# Altium PCB mxiot.PcbDoc (part 1 of 3) (continued)
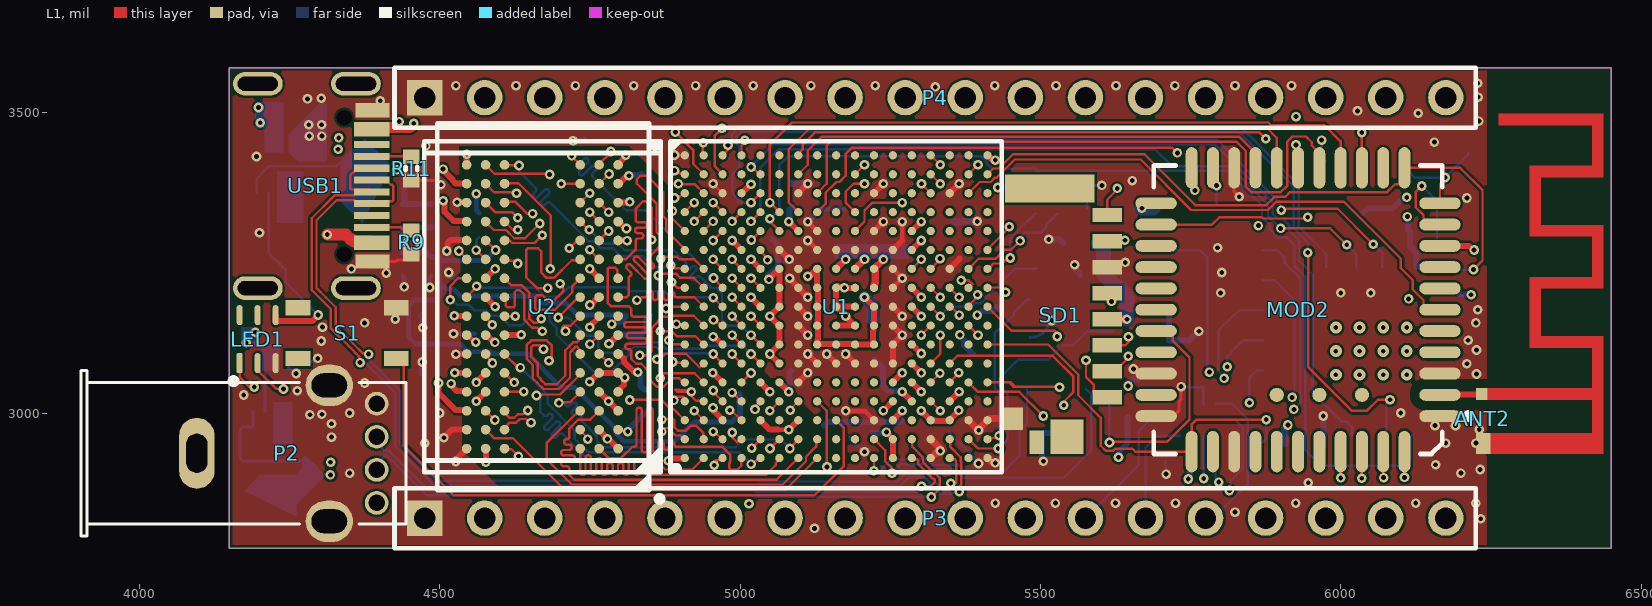
[diagram p0: L1 view]
## Footprints (in the part's own frame and the unit in brackets; to place one, negate y for a bottom-side part, rotate by r counter-clockwise, add the part's x,y. Pads: shape width x height; smd on the part's side, far side on the other; paste and mask are expansions set on the pad) (continued)
  silkscreen extent -5.78,-7.75 5,8.25, body extent -5,-7.75 5,7.75, height 1.2
BGA289C80P17X17_1400X1400X132 [mm] "BGA, 289-Leads, Body 14.00x14.00mmx1.32mm, Pitch 0.80mm"
  round 0.35 smd: A1(-6.4,6.4) A2(-5.6,6.4) A3(-4.8,6.4) A4(-4,6.4) A5(-3.2,6.4) A6(-2.4,6.4) A7(-1.6,6.4) A8(-0.8,6.4) A9(0,6.4) A10(0.8,6.4) A11(1.6,6.4) A12(2.4,6.4) A13(3.2,6.4) A14(4,6.4) A15(4.8,6.4) A16(5.6,6.4) A17(6.4,6.4) B1(-6.4,5.6) B2(-5.6,5.6) B3(-4.8,5.6) B4(-4,5.6) B5(-3.2,5.6) B6(-2.4,5.6) B7(-1.6,5.6) B8(-0.8,5.6) B9(0,5.6) B10(0.8,5.6) B11(1.6,5.6) B12(2.4,5.6) B13(3.2,5.6) B14(4,5.6) B15(4.8,5.6) B16(5.6,5.6) B17(6.4,5.6) C1(-6.4,4.8) C2(-5.6,4.8) C3(-4.8,4.8) C4(-4,4.8) C5(-3.2,4.8) C6(-2.4,4.8) C7(-1.6,4.8) C8(-0.8,4.8) C9(0,4.8) C10(0.8,4.8) C11(1.6,4.8) C12(2.4,4.8) C13(3.2,4.8) C14(4,4.8) C15(4.8,4.8) C16(5.6,4.8) C17(6.4,4.8) D1(-6.4,4) D2(-5.6,4) D3(-4.8,4) D4(-4,4) D5(-3.2,4) D6(-2.4,4) D7(-1.6,4) D8(-0.8,4) D9(0,4) D10(0.8,4) D11(1.6,4) D12(2.4,4) D13(3.2,4) D14(4,4) D15(4.8,4) D16(5.6,4) D17(6.4,4) E1(-6.4,3.2) E2(-5.6,3.2) E3(-4.8,3.2) E4(-4,3.2) E5(-3.2,3.2) E6(-2.4,3.2) E7(-1.6,3.2) E8(-0.8,3.2) E9(0,3.2) E10(0.8,3.2) E11(1.6,3.2) E12(2.4,3.2) E13(3.2,3.2) E14(4,3.2) E15(4.8,3.2) E16(5.6,3.2) E17(6.4,3.2) F1(-6.4,2.4) F2(-5.6,2.4) F3(-4.8,2.4) F4(-4,2.4) F5(-3.2,2.4) F6(-2.4,2.4) F7(-1.6,2.4) F8(-0.8,2.4) F9(0,2.4) F10(0.8,2.4) F11(1.6,2.4) F12(2.4,2.4) F13(3.2,2.4) F14(4,2.4) F15(4.8,2.4) F16(5.6,2.4) F17(6.4,2.4) G1(-6.4,1.6) G2(-5.6,1.6) G3(-4.8,1.6) G4(-4,1.6) G5(-3.2,1.6) G6(-2.4,1.6) G7(-1.6,1.6) G8(-0.8,1.6) G9(0,1.6) G10(0.8,1.6) G11(1.6,1.6) G12(2.4,1.6) G13(3.2,1.6) G14(4,1.6) G15(4.8,1.6) G16(5.6,1.6) G17(6.4,1.6) H1(-6.4,0.8) H2(-5.6,0.8) H3(-4.8,0.8) H4(-4,0.8) H5(-3.2,0.8) H6(-2.4,0.8) H7(-1.6,0.8) H8(-0.8,0.8) H9(0,0.8) H10(0.8,0.8) H11(1.6,0.8) H12(2.4,0.8) H13(3.2,0.8) H14(4,0.8) H15(4.8,0.8) H16(5.6,0.8) H17(6.4,0.8) J1(-6.4,0) J2(-5.6,0) J3(-4.8,0) J4(-4,0) J5(-3.2,0) J6(-2.4,0) J7(-1.6,0) J8(-0.8,0) J9(0,0) J10(0.8,0) J11(1.6,0) J12(2.4,0) J13(3.2,0) J14(4,0) J15(4.8,0) J16(5.6,0) J17(6.4,0) K1(-6.4,-0.8) K2(-5.6,-0.8) K3(-4.8,-0.8) K4(-4,-0.8) K5(-3.2,-0.8) K6(-2.4,-0.8) K7(-1.6,-0.8) K8(-0.8,-0.8) K9(0,-0.8) K10(0.8,-0.8) K11(1.6,-0.8) K12(2.4,-0.8) K13(3.2,-0.8) K14(4,-0.8) K15(4.8,-0.8) K16(5.6,-0.8) K17(6.4,-0.8) L1(-6.4,-1.6) L2(-5.6,-1.6) L3(-4.8,-1.6) L4(-4,-1.6) L5(-3.2,-1.6) L6(-2.4,-1.6) L7(-1.6,-1.6) L8(-0.8,-1.6) L9(0,-1.6) L10(0.8,-1.6) L11(1.6,-1.6) L12(2.4,-1.6) L13(3.2,-1.6) L14(4,-1.6) L15(4.8,-1.6) L16(5.6,-1.6) L17(6.4,-1.6) M1(-6.4,-2.4) M2(-5.6,-2.4) M3(-4.8,-2.4) M4(-4,-2.4) M5(-3.2,-2.4) M6(-2.4,-2.4) M7(-1.6,-2.4) M8(-0.8,-2.4) M9(0,-2.4) M10(0.8,-2.4) M11(1.6,-2.4) M12(2.4,-2.4) M13(3.2,-2.4) M14(4,-2.4) M15(4.8,-2.4) M16(5.6,-2.4) M17(6.4,-2.4) N1(-6.4,-3.2) N2(-5.6,-3.2) N3(-4.8,-3.2) N4(-4,-3.2) N5(-3.2,-3.2) N6(-2.4,-3.2) N7(-1.6,-3.2) N8(-0.8,-3.2) N9(0,-3.2) N10(0.8,-3.2) N11(1.6,-3.2) N12(2.4,-3.2) N13(3.2,-3.2) N14(4,-3.2) N15(4.8,-3.2) N16(5.6,-3.2) N17(6.4,-3.2) P1(-6.4,-4) P2(-5.6,-4) P3(-4.8,-4) P4(-4,-4) P5(-3.2,-4) P6(-2.4,-4) P7(-1.6,-4) P8(-0.8,-4) P9(0,-4) P10(0.8,-4) P11(1.6,-4) P12(2.4,-4) P13(3.2,-4) P14(4,-4) P15(4.8,-4) P16(5.6,-4) P17(6.4,-4) R1(-6.4,-4.8) R2(-5.6,-4.8) R3(-4.8,-4.8) R4(-4,-4.8) R5(-3.2,-4.8) R6(-2.4,-4.8) R7(-1.6,-4.8) R8(-0.8,-4.8) R9(0,-4.8) R10(0.8,-4.8) R11(1.6,-4.8) R12(2.4,-4.8) R13(3.2,-4.8) R14(4,-4.8) R15(4.8,-4.8) R16(5.6,-4.8) R17(6.4,-4.8) T1(-6.4,-5.6) T2(-5.6,-5.6) T3(-4.8,-5.6) T4(-4,-5.6) T5(-3.2,-5.6) T6(-2.4,-5.6) T7(-1.6,-5.6) T8(-0.8,-5.6) T9(0,-5.6) T10(0.8,-5.6) T11(1.6,-5.6) T12(2.4,-5.6) T13(3.2,-5.6) T14(4,-5.6) T15(4.8,-5.6) T16(5.6,-5.6) T17(6.4,-5.6) U1(-6.4,-6.4) U2(-5.6,-6.4) U3(-4.8,-6.4) U4(-4,-6.4) U5(-3.2,-6.4) U6(-2.4,-6.4) U7(-1.6,-6.4) U8(-0.8,-6.4) U9(0,-6.4) U10(0.8,-6.4) U11(1.6,-6.4) U12(2.4,-6.4) U13(3.2,-6.4) U14(4,-6.4) U15(4.8,-6.4) U16(5.6,-6.4) U17(6.4,-6.4)
  silkscreen extent -7.77,-7 7,7, body extent -7,-7 7,7, height 1.32
CAPC1005N [mm] "Chip Capacitor (0402), Body 1.0x0.5mm, IPC Medium Density"
  rect 0.6x0.7 smd: 1(-0.5,0) 2(0.5,0)
  silkscreen extent -0.17,-0.35 0.18,0.35, body extent -0.51,-0.26 0.51,0.26, height 0.61
CAPC1608N [mm] "Chip Capacitor (0603), Body 1.6x0.8mm, IPC Medium Density"
  rect 1x1 smd: 1(-0.8,0) 2(0.8,0)
  silkscreen extent -0.28,-0.5 0.28,0.5, body extent -0.8,-0.41 0.8,0.4, height 0.91
CAPC2012L [mm] "Chip Capacitor, Body 2.0x1.3mm, IPC High Density"
  rect 1.1x1.4 smd: 1(-0.75,0) 2(0.75,0)
  body extent -1,-0.63 1,0.63, height 0.85
DFN50P200X80-8N [mm] "SON, 8-Leads, Body 2.00x2.00mm, Pitch 0.50mm, IPC Medium Density"
  rect 0.8x0.3 smd: 1(-1.045,0.75) 2(-1.045,0.25) 3(-1.045,-0.25) 4(-1.045,-0.75) 5(1.045,-0.75) 6(1.045,-0.25) 7(1.045,0.25) 8(1.045,0.75)
  silkscreen extent -1.71,1.06 -1.61,1.16, body extent -0.95,-0.95 0.95,0.95, height 0.8
HDR1X18 [mm] "Connector; Header; 18 Position"
  rect 1.5x1.5 hole 0.9: 1(0,0)
  round 1.5 hole 0.9: 2(2.54,0) 3(5.08,0) 4(7.62,0) 5(10.16,0) 6(12.7,0) 7(15.24,0) 8(17.78,0) 9(20.32,0) 10(22.86,0) 11(25.4,0) 12(27.94,0) 13(30.48,0) 14(33.02,0) 15(35.56,0) 16(38.1,0) 17(40.64,0) 18(43.18,0)
  silkscreen extent -1.27,-1.27 44.45,1.27
INDC2520X12N [mm] "Chip Inductor, 2-Leads, Body 2.50x2.00mm, IPC Medium Density"
  rect 1.1x2.2 smd: 1(-1.255,0) 2(1.255,0)
  silkscreen extent -0.35,-1 0.35,1, body extent -1.35,-1.1 1.35,1.1, height 1.2
MHDR2X5SMD [mm] "Connector; Header; 5x2 Position"
  oval 0.76x2.4 smd: 1(0,-1.343) 2(0,2.613) 3(1.27,-1.343) 4(1.27,2.613) 5(2.54,-1.343) 6(2.54,2.613) 7(3.81,-1.343) 8(3.81,2.613) 9(5.08,-1.343) 10(5.08,2.613)
  silkscreen extent -0.9,-0.9 5.98,2.17, body extent -0.64,-2.11 5.71,3.39, height 5.4
RESC1005N [mm] "Chip Resistor, Body 1.1x0.5mm, IPC Medium Density"
  rect 0.6x0.7 smd: 1(-0.5,0) 2(0.5,0)
  silkscreen extent -0.08,-0.25 0.08,0.25, body extent -0.5,-0.25 0.5,0.25, height 0.35
RUG_N [mm] "QFN, 10-Leads, Body 1.50x2.00mm, Pitch 0.50mm, IPC Medium Density"
  oval 0.8x0.25 smd: 1(-0.675,0.75) 2(-0.675,0.25) 3(-0.675,-0.25) 4(-0.675,-0.75) 6(0.675,-0.75) 7(0.675,-0.25) 8(0.675,0.25) 9(0.675,0.75)
  oval 0.25x0.8 smd: 5(0,-0.925) 10(0,0.925)
  silkscreen extent -1.12,1.27 -1.03,1.37, body extent -0.78,-1.03 0.78,1.03, height 0.4
SON127P800X80_HS-COMBO-9N [mm] "SON, 8-Leads, Body 6.00x8.00mm, Pitch 1.27mm, Thermal Pad 4.30x3.40mm, IPC Medium Density"
  oval 1.7x0.6 smd: 1(-3.55,1.905) 2(-3.55,0.635) 3(-3.55,-0.635) 4(-3.55,-1.905) 5(3.55,-1.905) 6(3.55,-0.635) 7(3.55,0.635) 8(3.55,1.905)
  rect 3.4x4.3 smd paste-1.7: 9(0,0)
  silkscreen extent -4.65,-3.2 4.2,3.25, body extent -4.05,-3.05 4.05,3.05, height 2.16
TACTILE-SW-SMD-4.2X3.2X2.5 [mm]
  rect 1.05x0.65 smd paste+0: 1(-2.075,1.075) 2(2.075,1.075) 3(-2.075,-1.075) 4(2.075,-1.075)
  body extent -2.3,-1.6 2.3,1.6, height 2.5
TYPE-C16PIN-CONNECTOR [mm]
  rect 0.6x1.449 smd paste+0: A1-B12(-3.2,2.77) B1-A12(3.2,2.77)
  rect 0.6x1.5 smd paste+0: A4-B9(-2.4,2.745) B4-A9(2.4,2.745)
  rect 0.3x1.5 smd paste+0: A5(-1.25,2.745) A6(-0.25,2.745) A7(0.25,2.745) A8(-1.75,2.745) B5(1.75,2.745) B6(0.75,2.745) B7(-0.75,2.745) B8(1.25,2.745)
  oval 1x2.1 hole 0.6 slot 1.7 at 90 deg paste+0: MH(-4.32,2.075) MH(-4.32,-2.075) MH(4.32,2.075) MH(4.32,-2.075)
  rect 0x0 hole 0.65 paste+0: MH(-2.89,1.575) MH(2.89,1.575)
  body extent -6.1,-65.71 6.1,2.98, height 4.7
XTAL3225-4-N [mm]
  rect 1.4x1.2 smd: 1(-1.101,-0.791) 2(1.099,-0.791) 3(1.099,0.809) 4(-1.101,0.809)
  silkscreen extent -2.21,-1.7 -2.11,-1.6, body extent -1.61,-1.25 1.61,1.27, height 0.6

## Part data
ANT2: library part Antenna_TwoPort, "Generic Antenna", LatestRevisionDate=17-Jul-2002, LatestRevisionNote="Re-released for DXP Platform.", PackageReference=PIN1, Published=24-Mar-1999, Publisher="Altium Limited"
C1 C2 C3 C4 C7 C8 C9 C10 C11 C12 C14 C15 C16 C17 C18 C19 C22 C23 C24 C25 C26 C27 C28 C29 C30 C31 C32 C33 C34 C35 C36 C37 C38 C39 C52 C53: library part "Cap Semi", "Capacitor (Semiconductor SIM Model)", LatestRevisionDate=29-May-2009, LatestRevisionNote="IPC-7351 Footprint Added.", PackageDescription="Chip Capacitor", PackageReference=C1206, Published=8-Jun-2000, Publisher="Altium Limited"
C5 C6 C13 C50 C54: library part "Cap Semi", "Chip Capacitor", LatestRevisionDate=29-May-2009, LatestRevisionNote="IPC-7351 Footprint Added.", PackageDescription="Chip Capacitor", PackageReference=C1206, Published=8-Jun-2000, Publisher="Altium Limited"
C20 C21 C40 C41 C42 C43 C44 C45 C46 C51 C60 C62 C63: library part "Cap Semi", "Capacitor (Semiconductor SIM Model)", Supplier Part Number 1=490-5921-1-ND, LatestRevisionDate=29-May-2009, LatestRevisionNote="IPC-7351 Footprint Added.", PackageDescription="Chip Capacitor", PackageReference=C1206, Published=8-Jun-2000, Publisher="Altium Limited", Supplier 1=Digi-Key
C47: library part "Cap Semi", "Capacitor (Semiconductor SIM Model)", Supplier Part Number 1=490-6469-1-ND, LatestRevisionDate=29-May-2009, LatestRevisionNote="IPC-7351 Footprint Added.", PackageDescription="Chip Capacitor", PackageReference=C1206, Published=8-Jun-2000, Publisher="Altium Limited", Supplier 1=Digi-Key
C48: library part "Cap Semi", "Capacitor (Semiconductor SIM Model)", Supplier Part Number 1=490-5418-1-ND, LatestRevisionDate=29-May-2009, LatestRevisionNote="IPC-7351 Footprint Added.", PackageDescription="Chip Capacitor", PackageReference=C1206, Published=8-Jun-2000, Publisher="Altium Limited", Supplier 1=Digi-Key
L1 L2: library part Inductor, "Inductor", Case Code (Imperial)=1008, Case Code (Metric)=2520, Current Rating=3.3A, DC Resistance (DCR)=40mR, Inductance=1uH, Manufacturer=Samsung, Manufacturer Part Number=CIGW252010GL1R0MNE, Max Operating Temperature=125°C, Min Operating Temperature=-40°C, Saturation Current=3.7A, Supplier Part Number 1=1276-6932-1-ND, Test Frequency=1MHz, Tolerance=20%, Case/Package=1008, Code_IEC=1005, Code_JEITA=0402, ComponentLink1Description=http://www.samsungsem.com/kr/support/product-search/inductor/CIGW252010GL1R0MNE.jsp?src-supplier=Digi-Key, ComponentLink1URL=http://www.samsungsem.com/kr/support/product-search/inductor/CIGW252010GL1R0MNE.jsp?src-supplier=Digi-Key, Composition=Wirewound, Core Material=Metal,Composite, LatestRevisionDate=29-May-2009, LatestRevisionNote="IPC-7351 Footprint Added.", Mount="Surface Mount", PackageDescription="Chip Inductor", PackageReference=0402-A, Packaging="Cut Tape", Pricing 1="1=0.21000, 10=0.18600, 100=0.12390, 500=0.10322, 1000=0.08671 (USD)", Published=8-Jun-2000, Publisher="Altium Limited", RoHS=No, Shielding=Unshielded, Stock 1=587, Supplier 1=Digi-Key
L3: Supplier Part Number 1=SRN2512-2R2MCT-ND, Code_IEC=1005, Code_JEITA=0402, LatestRevisionDate=29-May-2009, LatestRevisionNote="IPC-7351 Footprint Added.", PackageDescription="Chip Inductor", PackageReference=0402-A, Published=8-Jun-2000, Publisher="Altium Limited", Supplier 1=Digi-Key
LED1: library part APA102C
MOD2: library part AP6XXX, "802.11 + BT + FM + GPS module"
P1: "Header, 5-Pin, Dual row", Supplier Part Number 1=609-4054-ND, LatestRevisionDate=17-Jul-2002, LatestRevisionNote="Re-released for DXP Platform.", Publisher="Altium Limited", Supplier 1=Digi-Key
P2: "CONN RCPT USB R/A TYPE A", Manufacturer=Molex, Max Operating Temperature=50°C, Max Voltage Rating (AC)=750V, Min Operating Temperature=0°C, Package Quantity=1600, Supplier Part Number 1=WM8627-ND, ComponentLink1Description=http://components.arrow.com/part/dataview/0323_01056087?src-supplier=Arrow+Europe, ComponentLink1URL=http://components.arrow.com/part/dataview/0323_01056087?src-supplier=Arrow+Europe, ComponentLink2Description=http://components.arrow.com/part/dataview/41628271S7299894N3303?src-supplier=Arrow, ComponentLink2URL=http://components.arrow.com/part/dataview/41628271S7299894N3303?src-supplier=Arrow, ComponentLink3Description=https://www.molex.com/pdm_docs/sd/894858000_sd.pdf?src-supplier=Digi-Key, ComponentLink3URL=https://www.molex.com/pdm_docs/sd/894858000_sd.pdf?src-supplier=Digi-Key, Connector Type=USB, Contact Material=Bronze, Contact Plating=Gold,Tin, Depth=14mm, Features=Shielded, Gender=Receptacle, Housing Material=Nylon, Length=7.5mm, Manufacturer Part Number=0894858002, Mount="Through Hole,Vertical", Number of Contacts=4, Number of Ports=1, Number of Terminals=4, Orientation="Right Angle", Packaging=Tray, Pitch=1.4mm, Pricing 1="1=1.75000, 10=1.58500, 25=1.48840, 50=1.42360, 100=1.35890, 250=1.22948, 500=1.13242, 1000=0.97065, 2500=0.90594 (USD)", RoHS=Yes, Stock 1=33, Supplier 1=Digi-Key, Termination=Solder
P3 P4: "Header, 18-Pin", LatestRevisionDate=17-Jul-2002, LatestRevisionNote="Re-released for DXP Platform.", Publisher="Altium Limited"
R1 R2 R8: library part "Res Semi", "Semiconductor Resistor", Manufacturer=Yageo, Manufacturer Part Number=RC0402FR-07240RL, Supplier Part Number 1=311-240LRCT-ND, LatestRevisionDate=17-Jul-2002, LatestRevisionNote="Re-released for DXP Platform.", PackageDescription="Axial Device, Thru-Hole; 2 Leads; 0.5 in Pin Spacing", PackageReference=AXIAL-0.5, Published=8-Jun-2000, Publisher="Altium Limited", Supplier 1=Digi-Key
R3 R4 R5 R18: library part "Res Semi", "Semiconductor Resistor", LatestRevisionDate=17-Jul-2002, LatestRevisionNote="Re-released for DXP Platform.", PackageDescription="Axial Device, Thru-Hole; 2 Leads; 0.5 in Pin Spacing", PackageReference=AXIAL-0.5, Published=8-Jun-2000, Publisher="Altium Limited"
R6 R7 R9 R10 R11 R12 R13 R14 R15 R16 R17: library part "Res Chip", "Chip Resistor", Tolerance=%
S1: library part TACTILE-SW4, "Switch"
SD1: library part "MicroSD Card Detect", "microSD card memory connector", Supplier Part Number 1=WM6701TR-ND, Supplier 1=Digi-Key
U3: "DC/DC 1.35V 2A", Manufacturer=Microchip, Supplier Part Number 1=576-3651-1-ND, ComponentLink1Description=http://www.mouser.com/ds/2/495/mic23150-480742.pdf?src-supplier=Mouser, ComponentLink1URL=http://www.mouser.com/ds/2/495/mic23150-480742.pdf?src-supplier=Mouser, ComponentLink2Description=http://components.arrow.com/part/dataview/48472473S9794733N1374?src-supplier=Arrow, ComponentLink2URL=http://components.arrow.com/part/dataview/48472473S9794733N1374?src-supplier=Arrow, ComponentLink3Description=http://www.micrel.com/_PDF/mic23150.pdf?src-supplier=Future+Electronics, ComponentLink3URL=http://www.micrel.com/_PDF/mic23150.pdf?src-supplier=Future+Electronics, Manufacturer Part Number=MIC23150-55YMT-TR, Pricing 1="1=1.37000, 25=1.14000, 100=1.04000 (USD)", RoHS=Yes, Stock 1=1580, Supplier 1=Digi-Key
U4: "DC/DC 3.3V 2A", Manufacturer=Microchip, Supplier Part Number 1=576-3314-1-ND, ComponentLink1Description=https://datasheet.ciiva.com/16391/mic23150-16391945.pdf?src-supplier=Future+Electronics, ComponentLink1URL=https://datasheet.ciiva.com/16391/mic23150-16391945.pdf?src-supplier=Future+Electronics, Manufacturer Part Number=MIC23150-SYMT-TR, Pricing 1="1=1.37000, 25=1.14000, 100=1.04000 (USD)", RoHS=Yes, Stock 1=11793, Supplier 1=Digi-Key
U6: "12 BIT DELTA SIGMA ADC / I2C", Manufacturer="Texas Instruments", Max Operating Temperature=85°C, Min Operating Temperature=-40°C, Supplier Part Number 1=296-51661-1-ND, Category="Analog to Digital Converters (ADCs)", ComponentLink1Description=http://www.ti.com/lit/ds/symlink/tla2021.pdf?src-supplier=Digi-Key, ComponentLink1URL=http://www.ti.com/lit/ds/symlink/tla2021.pdf?src-supplier=Digi-Key, Interface=I2C, Manufacturer Part Number=TLA2024IRUGR, Mount="Surface Mount", Number of A/D Converters=1, Number of Bits=12, Number of Inputs=4, Packaging="Tape and Reel", Pricing 1="1=1.77000, 10=1.59000, 25=1.50000, 100=1.20000, 250=1.05000, 500=1.02000, 1000=0.81000 (USD)", RoHS=No, Sampling Rate=3300S/s, Stock 1=2199, Supplier 1=Digi-Key
U7: "MEMS OSC XO 32.7680KHZ CMOS SMD", Manufacturer=Microchip, Supplier Part Number 1=DSC6083CE2A-032K768-ND, ComponentLink1Description=http://www.microchip.com/mymicrochip/filehandler.aspx?ddocname=en587410&src-supplier=Digi-Key, ComponentLink1URL=http://www.microchip.com/mymicrochip/filehandler.aspx?ddocname=en587410&src-supplier=Digi-Key, Manufacturer Part Number=DSC6083CE2A-032K768, Pricing 1="1=0.90000, 25=0.74160, 100=0.67980 (USD)", RoHS=No, Stock 1=500, Supplier 1=Digi-Key
Y1: library part XTAL_4SMD, "Crystal Oscillator (4 pin)", Supplier Part Number 1=490-5576-1-ND, LatestRevisionDate=17-Jul-2002, LatestRevisionNote="Re-released for DXP Platform.", PackageDescription="Crystal, Thru-Hole; 2 Leads; Body 3.1 x 8.2 mm (Dia.xH)", PackageReference=R38, Published=8-Jun-2000, Publisher="Altium Limited", Supplier 1=Digi-Key
Y2: library part XTAL, "Crystal Oscillator (2 pin)", Supplier Part Number 1=728-1074-1-ND, LatestRevisionDate=17-Jul-2002, LatestRevisionNote="Re-released for DXP Platform.", PackageDescription="Crystal, Thru-Hole; 2 Leads; Body 3.1 x 8.2 mm (Dia.xH)", PackageReference=R38, Published=8-Jun-2000, Publisher="Altium Limited", Supplier 1=Digi-Key
Y3: library part XTAL_4SMD, "Crystal Oscillator (4 pin)", LatestRevisionDate=17-Jul-2002, LatestRevisionNote="Re-released for DXP Platform.", PackageDescription="Crystal, Thru-Hole; 2 Leads; Body 3.1 x 8.2 mm (Dia.xH)", PackageReference=R38, Published=8-Jun-2000, Publisher="Altium Limited"
U1: CLASS=IC

## Via types
v1: diameter 16, hole 8, L1 to L6, tented both sides, 437 vias
v2: diameter 19.68, hole 7.87, L1 to L6, 12 vias

## Nets (pads, with @x,y where several pads share a name; then routed paths per layer and width w, separated by ;. In a path a pad name is that pad's centre, name@x,y a point inside that pad or via, vN(x,y) a via of type N, cw(c..) or ccw(c..) an arc to the next point about the centre after c; other vN are vias at no path point)
1V35: C4.2 C7.2 C24.2 C25.2 C26.2 C27.2 C30.2 C31.2 C32.2 C33.2 C34.2 C35.2 C36.2 C37.2 C40.2 C41.2 C54.2 L1.2 R6.2 U1.G6 U1.H6 U1.H9 U1.H10 U1.J6 U1.J9 U1.J10 U1.K6 U1.K9 U1.K10 U1.L6 U1.M6 U2.A1 U2.A8 U2.B2 U2.C1 U2.C9 U2.D2 U2.D9 U2.E9 U2.F1 U2.G7 U2.H2 U2.H9 U2.K2 U2.K8 U2.N1 U2.N9 U2.R1 U2.R9 U3.4 | length 1406.7
  L1 w4: v1@4783.79,3017.08 4796.98,3003.88 U2.C1@4796.98,3003.77
  L1 w10: v1(4498,3050) 4498,3034 4527.05,3004.95 4543.84,3004.95 U2.C9@4545.02,3003.77 ; v1@4504,3407.78 v1(4505.72,3406.06) 4505.72,3404.43 4521.01,3389.14 4521.01,3387.99 4527,3382 4544.74,3382 U2.R9@4545.02,3381.72 ; v1(4505.75,3353.35) v1(4505.75,3353.35) 4507,3352 4507,3351 4508,3350 4508,3335 4523.09,3319.91 4543.84,3319.91 U2.N9@4545.02,3318.73 ; v1(4519,3049) 4519,3046 4528.56,3036.44 4543.84,3036.44 U2.D9@4545.02,3035.27 ; v1(4524.19,3162.1) 4524.62,3161.68 4544.59,3161.68 U2.H9@4545.02,3161.25 ; v1(4525,3067) 4544.78,3067 U2.E9@4545.02,3066.76 ; U2.A8@4576.51,2940.78 4576.76,2940.54 4576.76,2918.24 v1(4577,2918) ; U2.K8@4576.51,3224.24 v1(4592.26,3239.99) ; U2.G7@4608.01,3129.76 4608.3,3130.05 4635.48,3130.05 v1(4635.77,3130.35) ; v1(4749.74,3240) U2.K2@4765.49,3224.24 ; v1(4749.97,3142.8) 4749.97,3144.27 4765.49,3159.78 U2.H2@4765.49,3161.25 ; U2.B2@4765.49,2972.28 4765.49,2971.54 4779.3,2957.73 v1(4779.3,2957) ; U2.D2@4765.49,3035.27 v1(4781.24,3019.52) 4783.68,3017.08 v1@4783.79,3017.08 ; v1@4781.24,2956.53 U2.A1@4796.98,2940.78 ; v1@4783.73,3017.02 U2.C1@4796.98,3003.77 ; U2.F1@4796.98,3098.26 4798.65,3098.26 4806.55,3090.36 4806.55,3085.45 v1@4822.85,3069.15 ; U2.N1@4796.98,3318.73 4798.23,3318.73 4809.86,3307.1 v1(4811.1,3307.1) ; U2.R1@4796.98,3381.72 4798.65,3381.72 4810.77,3393.85 4813.85,3393.85 v1(4815,3395) ; v1(5048.06,3222.42) 5048.06,3222.54 U1.G6@5065.51,3239.99 U1.H6@5065.51,3208.5 U1.J6@5065.51,3177 v1(5049.76,3161.25) U1.K6@5065.51,3145.5 U1.L6@5065.51,3114.01 v1(5049.76,3098.26) U1.M6@5065.51,3082.51 ; U1.K9@5160,3145.5 U1.K10@5191.5,3145.5 v1(5175.75,3161.25) U1.J9@5160,3177 ; U1.J10@5191.5,3177 U1.J9@5160,3177 ; U1.H10@5191.5,3208.5 v1(5173.82,3208.5) 5172.67,3209.64 5164.39,3209.64 5162.77,3211.26 U1.H9@5160,3208.5 U1.J9@5160,3177
  L6 w4: U3.4@4195.47,3366.86 4195.47,3390.47 4216,3411 4328.5,3411 C54.2@4355.5,3438
  L6 w10: v1(4428.6,3404.71) 4428.6,3403.68 4444.31,3387.97 C41.2@4444.31,3386 4441.79,3383.48 4441.79,3350.84 R6.2@4439.27,3348.31 C40.2@4486.27,3348.31 ; v1(4815,3395) 4816.15,3396.15 4835.46,3396.15 C31.2@4837,3397.69 ; v1(4829.71,3068) 4829.71,3066.38 4834.23,3061.86 4834.23,3045.58 4841.04,3038.77 C33.2@4843.01,3038.77 ; C26.2@5047,3229.69 5048.97,3229.69 5062.98,3243.7 5062.98,3275.48 5065,3277.5 C27.2@5052.5,3290
  other v1: 4331,3439 4332,3458
3V3: C6.2 C12.2 C13.2 C18.2 C20.2 C21.2 C38.2 C47.2 C48.2 C60.2 C62.2 C63.2 L2.2 LED1.4 MOD2.9 MOD2.22 P1.1 P3.3 P4.3 R12.2 R13.2 R14.2 R15.2 R16.2 R17.2 SD1.4 U1.C4 U1.E7 U1.E13 U1.F4 U1.F13 U1.H13 U1.J13 U1.L13 U1.M13 U1.N13 U1.P12 U3.3 U4.4 U5.8 U6.8 U7.4 | length 1757.8
  L1 w4: SD1.4@5611.24,3156.18 v1(5643.98,3156.17)
  L1 w10: LED1.4@4227,3163 4227,3153.53 4288.7,3153.53 4297.7,3162.52 v1(4297.7,3163.11) ; v1(4986.77,3287.24) U1.F4@5002.52,3271.49 ; U1.C4@5002.52,3365.98 5002.88,3365.98 5017.91,3381 v1(5018.27,3381) ; v1(5081.26,3318.73) U1.E7@5097.01,3302.98 ; v1(5238.7,3004) 5238.83,3004 5254.36,3019.52 U1.P12@5254.49,3019.52 ; U1.N13@5285.98,3051.02 v1(5301.73,3035.27) ; U1.M13@5285.98,3082.51 v1(5301.73,3066.76) ; U1.L13@5285.98,3114.01 5286.4,3114.01 5301.27,3099.14 v1(5301.69,3099.14) ; U1.J13@5285.98,3177 v1(5301.73,3161.25) ; U1.H13@5285.98,3208.5 v1(5301.73,3192.75) ; U1.F13@5285.98,3271.49 v1(5301.73,3287.24) ; U1.E13@5285.98,3302.98 v1(5301.73,3318.73) ; MOD2.22@5751.83,3408.22 5757.24,3408.22 v1(5757.24,3370.57) ; MOD2.9@6165.22,3278.3 6213.5,3278.3 6220.38,3271.42 v1(6222,3271.42)
  L1 w12: SD1.4@5611.24,3156.18 v1(5643.98,3156.17)
  L6 w4: U3.3@4215.16,3366.86 4215.16,3266.84 4244,3238 4244,3216.81 v1(4297.7,3163.11)
  L6 w5: U4.4@4189.47,3002.86 4189.47,2979.61 4186.43,2976.56 4172,2976.56 4168,2972.56 4168,2924.26 4172,2920.26 4280.25,2920.26 4286.5,2914 4288.5,2916 C6.2@4295,2909.5
  L6 w10: v1(5081.26,3318.73) 5082.41,3319.88 5082.41,3338.72 C60.2@5087,3343.31 ; v1(5429.16,3375.5) 5464,3375.5 5468.82,3370.68 R14.2@5492,3370.68 R15.2@5530,3370.68 5533.31,3374 5529.31,3378 5525.31,3374 5523.81,3375.5 R14.2@5492,3375.5 ; v1(5630.08,2926.52) 5631.23,2927.67 5631.23,2935.95 5645.31,2950.03 R16.2@5645.31,2993 ; v1(5646,3045) 5644.37,3045 5643,3046.37 5652.42,3055.79 5661.56,3055.79 5676.77,3071 P1.1@5714.13,3071 ; v1@5748,2891.96 v1(5746.13,2890.09) 5746.13,2891.71 5748,2893.58 5748,2919.69 C21.2@5747.69,2920 5752.08,2924.39 5752.08,2962.35 U6.8@5752.16,2962.43 ; U7.4@6036.86,3332.65 6044.53,3340.31 C38.2@6084,3340.31 6085.97,3340.31 6103.51,3357.85 6108.85,3357.85 v1(6110,3359) ; v1(6111,3327) 6112.15,3325.85 6112.15,3305.54 C20.2@6115.69,3302 6115.69,3276.57 6126,3266.25 U5.8@6126,3242.76 ; R13.2@6197,3199.32 6199.31,3197 v1(6217,3197)
  L6 w12: R12.2@5906.69,2949 5906.69,2974.68 v1(5912,2980)
  L6 w25: C47.2@5596.53,3283 5605,3274.53 5605,3231.1 C48.2@5605.69,3230.41 ; C48.2@5605.69,3231 C48.2@5605.69,3230.41 ; v1@5643.98,3156.9 5643.98,3195.69 5629.34,3210.34 5625.76,3210.34 C48.2@5605.69,3230.41
  other v1: 4318.15,2897.04 4318.46,2917.95 6113,3190
5V: C5.2 C50.2 C51.2 P2.1 P3.2 P4.2 U1.T12 U1.U12 U3.6 U3.7 U4.3 U4.6 U4.7 USB1.A4-B9 USB1.B4-A9 | length 1107.7
  L1 w10: v1(5243.62,2968.22) 5243.62,2967.81 5253.88,2957.55 5254.49,2957.55 U1.T12@5254.49,2956.53 U1.U12@5254.49,2925.03
  L1 w12: v1(4432.65,3485.09) 4431.56,3485.09 4424.77,3478.3 4392.88,3478.3 USB1.A4-B9@4387.07,3472.49 4449.49,3472.49 ccw(c4449.49,3480) 4457,3480 v1(4457,3482)
  L1 w20: v1(4313,3297) 4343.94,3297 4351.74,3289.2 4353.93,3289.2 4357.8,3285.32 4385.26,3285.32 USB1.B4-A9@4387.07,3283.51
  L3 w12: v1(5015,2849) 5043.1,2849 5058.63,2864.53 5073.53,2864.53 5177.22,2968.22 v1(5243.62,2968.22)
  L4 w12: P3.2@4575,2825 4623,2873 4991,2873 v1(5015,2849)
  L6 w5: U4.3@4209.16,3002.86 U4.6@4209.16,3085.14
  L6 w10: C51.2@5221.69,2966 5222.76,2967.07 5242.47,2967.07 v1(5243.62,2968.22)
  other v1: 4178,3117 4193.26,3134.61 4201.46,3483.17 4198.48,3508.71
AIN0: P3.14 U6.4 | length 265.9
  L6 w4: P3.14@5775,2825 5788.43,2825 5845,2881.57 5845,2989.97 5819.4,3015.57 U6.4@5791.53,3015.57
AIN1: P3.15 U6.5 | length 239.4
  L4 w4: v1(5814.64,2871) 5816.89,2873.25 5820.2,2873.25 5868.45,2825 P3.15@5875,2825
  L6 w4: U6.5@5798.42,2989 5823.77,2989 5837,2975.77 5837,2907 5816.93,2886.93 5816.93,2873.3 v1(5814.64,2871)
AIN2: P3.16 U6.6 | length 282.5
  L4 w4: v1(5797,2885) 5915,2885 P3.16@5975,2825
  L6 w4: U6.6@5791.53,2962.43 5791.53,2893.34 5797,2887.87 v1(5797,2885)
AIN3: P3.17 U6.7 | length 410.9
  L4 w4: v1(5772,2891) 5783,2902 5956,2902 6033,2825 P3.17@6075,2825
  L6 w4: U6.7@5771.84,2962.43 5771.84,2891.16 v1(5772,2891)
BT_RST: MOD2.34 R12.1 U1.L17 | length 680.2
  L1 w4: U1.L17@5411.97,3114.01 5513.1,3114.01 5563,3064.11 5563,3029.6 5600.64,2991.96 5600.64,2945.56 5609.2,2937 5620.8,2937 5624.32,2940.52 5653.17,2940.52 5657.91,2935.78 MOD2.34@5751.83,2935.78 5751.83,2980.83 5760,2989 v1(5876,2989)
  L6 w4: R12.1@5867.31,2949 5876,2957.68 v1(5876,2989)
BT_WAKE: MOD2.6 U1.C16 | length 946.3
  L1 w4: U1.C16@5380.47,3365.98 5399.08,3384.58 5417.31,3384.58 5424.73,3392 5427.35,3392 5457.35,3422 5667,3422 5751,3338 5879.2,3338 5892.97,3351.77 6005.23,3351.77 6100,3257 6100,3241.2 6119.9,3221.3 6119.9,3205.75 6137.8,3187.84 6137.8,3179.25 6145.05,3172 MOD2.6@6165.22,3172
CC1: R11.2 USB1.A5 | length 56.6
  L1 w4: USB1.A5@4387.07,3427.21 4437.9,3427.21 R11.2@4442,3431.32
CC2: R9.2 USB1.B5 | length 60.4
  L1 w4: USB1.B5@4387.07,3309.1 4435.58,3309.1 R9.2@4444,3300.68
DDR_A0: U1.L5 U2.N3 | length 464.5
  L1 w4: U2.N3@4733.99,3318.73 4747.72,3305 v1(4749,3305) ; v1(5018.27,3129.76) U1.L5@5034.02,3114.01
  L6 w4: v1(4749,3305) 4750,3305 4750,3304 4772,3282 4797,3282 4808,3271 4889.82,3271 4901.41,3259.41 4909.19,3251.63 cw(c4906.01,3248.45) 4909.19,3245.27 4905.65,3241.73 ccw(c4908.84,3238.55) 4905.65,3235.37 ccw(c4908.84,3238.55) 4912.02,3235.37 4919.79,3243.15 cw(c4922.98,3239.96) 4926.16,3243.15 cw(c4922.98,3239.96) 4926.16,3236.78 4918.38,3229 ccw(c4921.56,3225.82) 4918.38,3222.64 ccw(c4921.56,3225.82) 4924.75,3222.64 4928.28,3226.18 cw(c4931.46,3222.99) 4934.64,3226.18 4942.41,3218.41 4952.64,3208.18 4960.82,3208.18 4970,3199 4970,3155 4979.99,3145.01 5003.01,3145.01 5016.9,3131.13 5018.27,3131.13 v1(5018.27,3129.76)
DDR_A1: U1.H2 U2.P7 | length 504.9
  L1 w4: U2.P7@4608.01,3350.23 4609.72,3351.94 4625.52,3351.94 4645.46,3332 v1(4654.77,3332) ; v1(4864,3229) 4864,3229.66 4866.34,3232 4893.23,3232 4900.01,3225.22 4922.8,3225.22 U1.H2@4939.53,3208.5
  L3 w4: v1(4654.77,3332) 4666.77,3344 4676,3344 4677.5,3342.5 4685.28,3334.72 cw(c4682.1,3331.54) 4685.28,3328.36 4682.61,3325.69 ccw(c4685.79,3322.51) 4682.61,3319.33 ccw(c4685.79,3322.51) 4688.98,3319.33 4691.64,3321.99 cw(c4694.82,3318.81) 4698.01,3321.99 cw(c4694.82,3318.81) 4698.01,3315.63 4693.33,3310.95 ccw(c4696.51,3307.77) 4693.33,3304.59 ccw(c4696.51,3307.77) 4699.69,3304.59 4704.37,3309.27 cw(c4707.55,3306.08) 4710.73,3309.27 cw(c4707.55,3306.08) 4710.73,3302.9 4697.72,3289.89 ccw(c4700.9,3286.71) 4697.72,3283.53 ccw(c4700.9,3286.71) 4704.09,3283.52 ; 4704.09,3283.53 4717.1,3296.54 cw(c4720.28,3293.36) 4723.46,3296.54 4732,3288 4735.74,3284.26 4735.74,3265.69 4743.43,3258 4837,3258 4864,3231 v1(4864,3229)
DDR_A2: U1.K1 U2.P3 | length 470.4
  L1 w4: U2.P3@4733.99,3350.23 v1(4749.74,3365.98) ; v1(4894.1,3148) 4895.35,3146.75 4906.78,3146.75 U1.K1@4908.03,3145.5
  L4 w4: v1(4749.74,3365.98) 4811.18,3365.98 4821.69,3366 4838.99,3348.7 4838.99,3279.91 4838.99,3277.91 ccw(c4843.49,3277.91) 4843.49,3273.41 4851.11,3273.41 cw(c4851.11,3268.91) 4851.11,3264.41 4843.49,3264.41 ccw(c4843.49,3259.91) 4843.49,3255.41 4849.5,3255.41 cw(c4849.5,3250.91) 4849.5,3246.41 4843.49,3246.41 ccw(c4843.49,3241.91) 4843.49,3237.41 4845.5,3237.41 cw(c4845.5,3232.91) 4845.5,3228.41 4843.49,3228.41 ccw(c4843.49,3223.91) 4838.99,3223.91 4838.99,3211.12 4847.38,3202.73 ccw(c4850.57,3205.91) 4850.57,3201.41 4871.18,3201.41 cw(c4871.18,3196.91) 4871.18,3192.41 4855.5,3192.41 ccw(c4855.5,3187.91) 4851,3187.91 4851,3180.2 4859.2,3172 4883.2,3148 v1(4894.1,3148)
DDR_A3: U1.M2 U2.N2 | length 456.6
  L1 w4: v1(4749.74,3334.48) U2.N2@4765.49,3318.73 ; v1@4858.21,3089.62 4858.6,3090 4861.4,3090 v1(4861.78,3089.61) 4866.61,3089.61 4876,3099 4909.77,3099 4932.89,3075.88 U1.M2@4939.53,3082.51
  L4 w4: v1(4749.74,3334.48) 4763.74,3320.48 4763.74,3197.57 4767.16,3194.16 4774.94,3186.38 cw(c4771.75,3183.2) 4774.94,3180.01 4762.58,3167.66 ccw(c4765.76,3164.48) 4762.58,3161.3 ccw(c4765.76,3164.48) 4768.95,3161.3 4781.3,3173.65 cw(c4784.48,3170.47) 4787.66,3173.65 4794.25,3167.06 4861.78,3099.53 v1(4861.78,3089.61)
DDR_A4: U1.K4 U2.P8 | length 515.5
  L1 w4: U2.P8@4576.51,3350.23 4592.26,3334.48 4620.52,3334.48 v1(4630,3325) ; v1(4986.77,3161.25) U1.K4@5002.52,3145.5
  L3 w4: v1(4630,3325) 4644,3311 4644,3303 4737.01,3209.99 4780.39,3209.99 4837.71,3210 4851.71,3196 4912.79,3196 4939.79,3169 4961.66,3169 4969.4,3161.25 v1(4986.77,3161.25)
DDR_A5: U1.L1 U2.P2 | length 471.1
  L1 w4: U2.P2@4765.49,3350.23 v1(4781.24,3334.48) ; v1(4881.04,3121.26) 4883.3,3119.01 4883.3,3114.25 4883.34,3114.2 4907.84,3114.2 U1.L1@4908.03,3114.01
  L4 w4: v1(4781.24,3334.48) 4796.98,3318.73 4796.98,3280.02 4810,3267 4812,3265 4812.17,3264.73 cw(c4805.57,3260.8) 4813,3262.75 4817.43,3262.75 4818.49,3262.75 cw(c4818.49,3258.25) 4818.49,3253.75 4807.82,3253.75 ccw(c4807.82,3249.25) 4807.82,3244.75 4818.49,3244.75 cw(c4818.49,3240.25) 4818.49,3235.75 4807.82,3235.75 ccw(c4807.82,3231.25) 4807.82,3226.75 4818.49,3226.75 cw(c4818.49,3222.25) 4818.49,3217.75 4803.64,3217.75 ccw(c4803.64,3213.25) 4803.64,3208.75 4815.45,3208.75 cw(c4815.45,3204.25) 4815.45,3199.75 4797.69,3199.75 ccw(c4797.69,3195.25) 4797.69,3190.75 4808.5,3190.75 cw(c4808.5,3186.25) 4813,3186.25 4813,3176 4813,3170.94 4861.57,3122.37 4869.57,3122.37 4875.34,3116.6 4879.01,3120.26 4880.04,3120.26 v1(4881.04,3121.26)
DDR_A6: U1.G2 U2.R8 | length 508.6
  L1 w4: U2.R8@4576.51,3381.72 4590.58,3367.65 4626.35,3367.65 v1(4628,3366) ; v1(4868,3257) 4868,3257.66 4870.34,3260 4895.4,3260 4899.66,3255.74 4923.78,3255.74 U1.G2@4939.53,3239.99
  L3 w4: v1(4628,3366) 4665.31,3366 4669.16,3362.16 4670.57,3360.74 ccw(c4673.75,3363.92) 4676.94,3360.74 4683.19,3367 cw(c4686.37,3363.81) 4689.55,3367 cw(c4686.37,3363.81) 4689.55,3360.63 4683.3,3354.38 ccw(c4686.48,3351.2) 4683.3,3348.01 ccw(c4686.48,3351.2) 4689.66,3348.01 4695.92,3354.27 cw(c4699.1,3351.09) 4702.28,3354.27 cw(c4699.1,3351.09) 4702.28,3347.9 4696,3341.62 ccw(c4699.18,3338.44) 4696,3335.26 ccw(c4699.18,3338.44) 4702.36,3335.26 4708.65,3341.54 cw(c4711.83,3338.36) 4715.01,3341.54 cw(c4711.83,3338.36) 4715.01,3335.18 4708.76,3328.92 ccw(c4711.94,3325.74) 4708.76,3322.56 4717.66,3313.66 4740.31,3291 4773.42,3291 4798.42,3266 4857.2,3266 4866.2,3257 v1(4868,3257)